# KiCad board panel_4_3.kicad_pcb (continued)
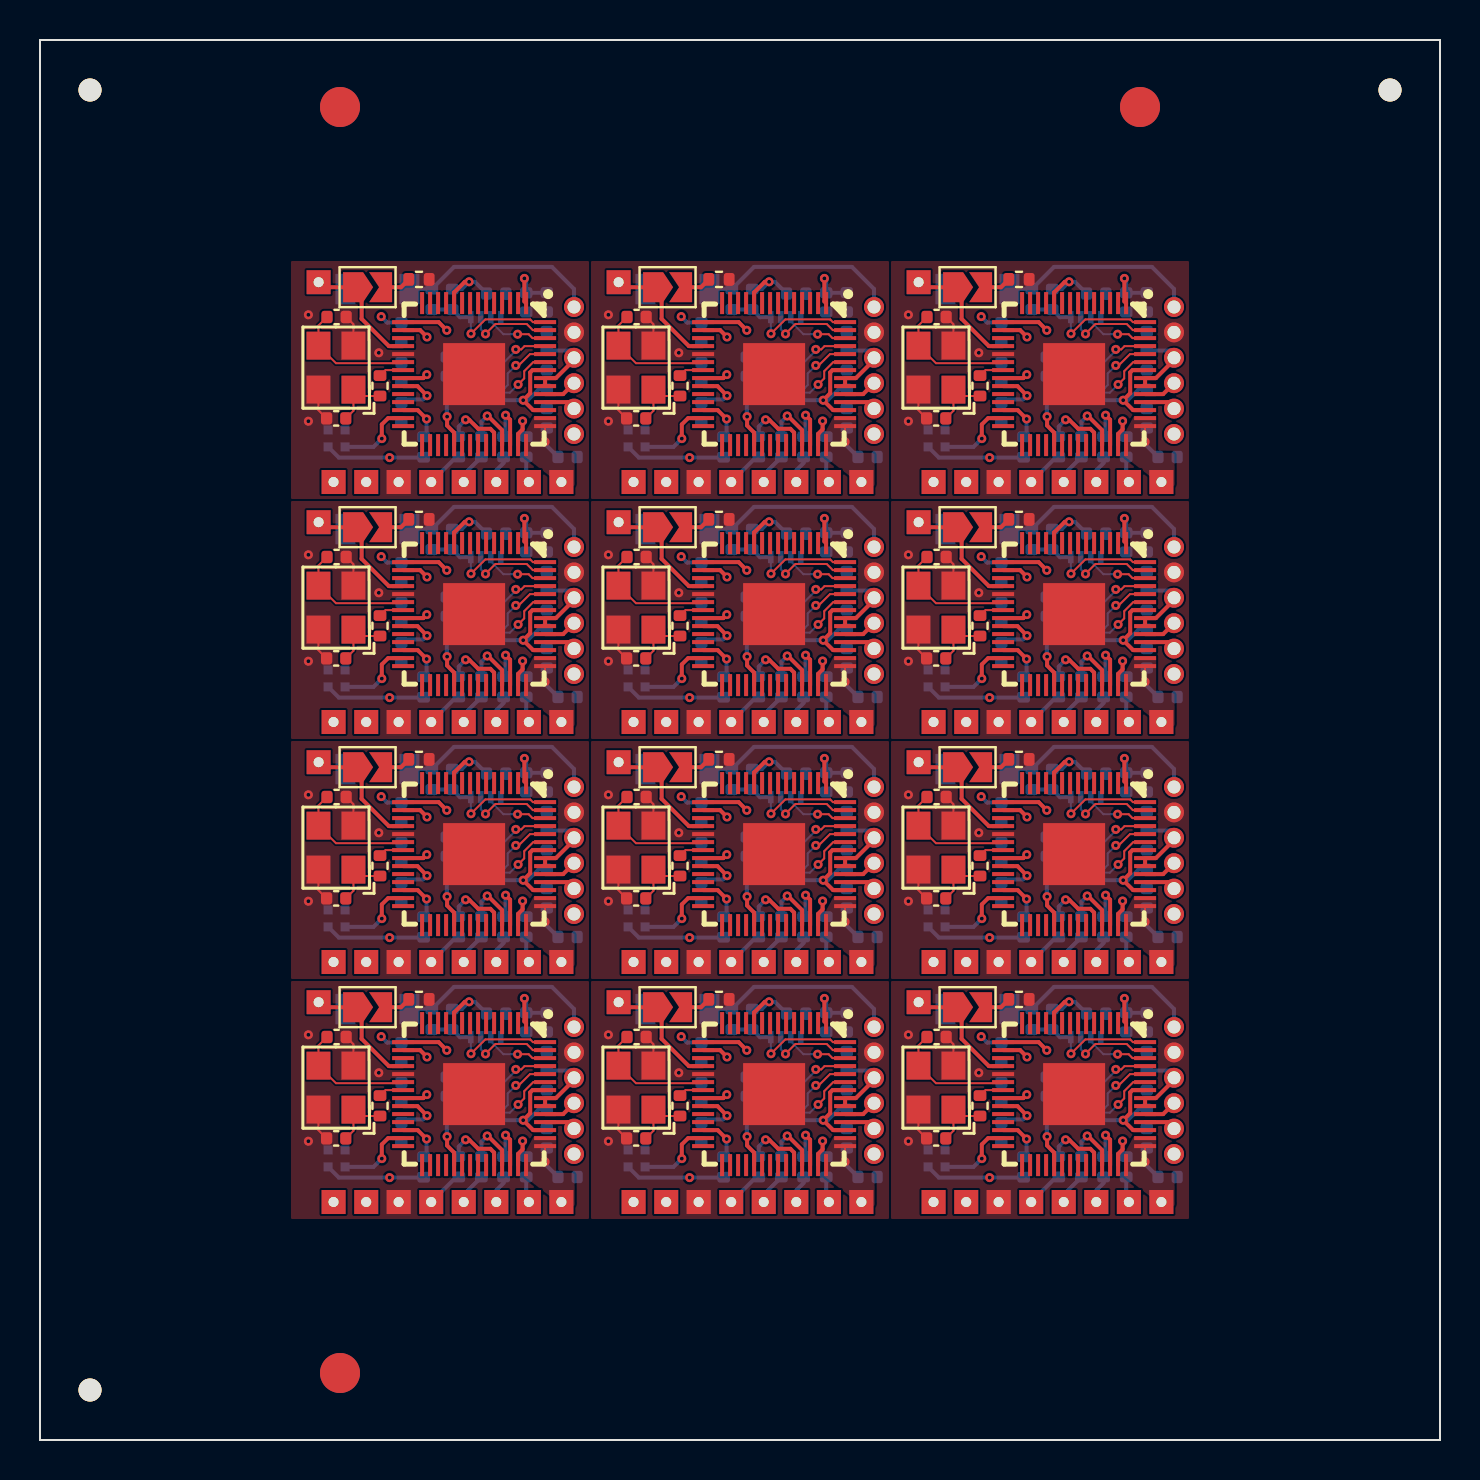
[diagram p0: board, top side]
## Routing (per net, layer and track width the routed paths; a pad name or vN(x,y) marks a point on that pad's centre or on a via; arc(x,y) is an arc through that point) (continued)
  Top w0.1: v1(38.88,55.29) 39.43,55.29 39.62,55.09 U1#3.54
  Bottom w0.1: 37.54,56.14 37.54,55.92 38.17,55.29 v1(38.88,55.29)
Board_1-QSPI_SD3: length 4.6
  Top w0.1: v1(38.91,52.77) 39.21,53.08 39.21,53.44 39.66,53.9 U1#3.51
  Bottom w0.1: v1(38.91,52.77) 38.5,52.37 37.44,52.37 37.04,52.77 U2#8.7
Board_1-RST: length 10.8
  Top w0.2: v1(34.33,51.05) 33.88,51.49 U1#3.26
  In1.Cu w0.2: v1(34.33,51.05) 35.41,49.97 39.35,49.97 40.03,49.29 40.69,49.29 J8#6.1
  Bottom w0.2: v1(34.33,51.05) 34.33,50.31 R2#5.2
Board_1-XIN: length 6.2
  Top w0.1: U1#3.20 33.1,53.84 29.8,53.84 X1#12.3 28.92,55.72 C3#8.1
Board_1-XOUT: length 1.3
  Top w0.1: R1#2.2 32.28,53.49 U1#3.21
Board_2-+1V1: length 15.1
  Top w0.2: U1#8.23 48.87,52.7 v1(49.35,52.22) ; U1#8.45 54.66,51.49 v1(54.16,51.99) 54.51,52.34 54.51,53.38 54.63,53.49 U1#8.50
  In1.Cu w0.358: v1(54.16,51.99) 54.12,51.95 49.62,51.95 v1(49.35,52.22)
  Bottom w0.2: C2#6.1 52.01,51.99 v1(54.16,51.99) 54.39,51.99 54.94,52.54 C5#6.1 ; C4#6.1 48.22,52.03 49.16,52.03 v1(49.35,52.22)
Board_2-+3V3: length 26.7
  Top w0.1: v1(55.25,49.91) U1#8.43
  Top w0.2: 50.71,49.74 50.71,50.37 50.35,50.72 v1(50.35,51.17) ; v1(54.22,58.08) 54.22,56.93 U1#8.1 ; U1#8.10 50.71,57.38 51.24,57.91 v1(51.46,57.91) ; v1(49.34,53.27) 49.16,53.09 U1#8.22 ; J8#8.4 56.7,54 55.79,53.09 U1#8.49 U1#8.48
  Bottom w0.2: C11#4.1 55.33,57.36 C9.1 54.31,57.99 v1(54.22,58.08) ; R6#4.1 50.62,57.55 51.09,57.55 v1(51.46,57.91) 51.74,57.91 C12#7.1 ; R2.1 49.16,49.12 v1(47.48,49.12) 44.94,49.12 U5#8.2 ; C6#2.2 55.25,49.8 v1(55.25,49.91) 55.25,50.52 55.34,50.6 ; v1(47.06,56.17) 47.36,55.87 C13#4.1 ; 56.76,54.21 56.49,54.48 C10#5.1 ; v1(49.34,53.27) 49.17,53.1 48.25,53.1 C7#10.1 ; U2#12.8 51.47,53.19 C14#2.1 50.34,51.19 v1(50.35,51.17)
Board_2-BOOT: length 10
  Bottom w0.2: SW1#6.1 R5#7.1 50.7,58.66 55.59,58.66 56.7,57.55 J8#8.6
Board_2-D+: length 1.7
  Top w0.2: J8#8.3 56.16,52.3 U1#8.47
Board_2-D-: length 1.6
  Top w0.2: J8#8.2 56.38,51.9 U1#8.46
Board_2-GND: length 3.2
  Top w0.1: X1#6.4 43.92,51.49 C1#12.1 ; C3#10.2 45.67,55.79 X1#6.2
  vias: v1(43.42,56.26) v1(43.42,50.94) v1(46.94,54.36)
Board_2-LED_DATA: length 3.9
  Top w0.2: U1#8.27 47.41,51.09 47.09,50.78 v1(47.09,50.07)
  Bottom w0.2: v1(47.09,50.07) 46.68,49.66 U5#8.4
Board_2-Net-(JP1-B): length 1.5
  Top w0.2: JP1#9.2 48.05,57.64 R12#3.1
Board_2-Net-(U1-GPIO26_ADC0): length 3.3
  Top w0.2: v1(51.28,51.01) 51.46,51.01 51.91,50.56 52.52,50.56 52.71,50.37 52.71,49.74
  Bottom w0.2: v1(51.28,51.01) 50.94,50.67 R8#2.1
Board_2-Net-(U1-GPIO27_ADC1): length 2.9
  Top w0.2: 53.1,49.74 53.1,50.49 52.4,51.2 v1(52.36,51.2)
  Bottom w0.2: v1(52.36,51.2) 52.07,50.91 R9#6.1
Board_2-Net-(U1-GPIO28_ADC2): length 2.7
  Top w0.2: v1(53.28,51.24) 53.5,51.02 53.5,49.74
  Bottom w0.2: v1(53.28,51.24) 53.28,50.27 R10#2.1
Board_2-Net-(U1-GPIO29_ADC3): length 2.2
  Top w0.2: v1(54.13,50.95) 54.13,50.53 53.91,50.3 53.91,49.74
  Bottom w0.2: v1(54.13,50.95) 54.13,50.35 R11#8.1
Board_2-Net-(X1-OSC1): length 3.1
  Top w0.1: R1#8.1 45.99,52.2 X1#6.1 45.67,51.46 C1#12.2
Board_2-NS_CLK: length 1.6
  Bottom w0.2: J3#11.1 51.19,48.27 R9#6.2
Board_2-NS_CMD: length 1.5
  Bottom w0.2: 52.81,47.78 52.81,48.48 53.18,48.85 R10#2.2
Board_2-NS_CPU: length 6.2
  Top w0.2: J1#7.1 44.18,57.64 JP1#9.1 46.08,57.22 46.08,56.06 47.44,54.7 U1#8.18
Board_2-NS_D0: length 1.3
  Bottom w0.2: J5#6.1 54.31,48.03 R11#8.2
Board_2-NS_RST: length 1.9
  Bottom w0.2: J2#5.1 50.81,49.15 R8#2.2
Board_2-NS_SCL: length 10.6
  Top w0.2: v1(49.35,55.15) 49,55.49 U1#8.16
  In2.Cu w0.2: v1(49.35,55.15) 49.35,55.14 44.68,50.47 44.68,47.78
Board_2-NS_SDA: length 11.6
  Top w0.2: U1#8.15 49.93,55.9 v1(50.34,55.48)
  In2.Cu w0.2: v1(50.34,55.48) 50.34,55.11 46.31,51.08 J6#9.1
Board_2-QSPI_CS: length 7
  Top w0.1: U1#8.56 54.65,55.9 54.51,56.03 52.26,56.03 v1(51.55,55.31)
  Bottom w0.1: v1(51.55,55.31) 51.54,55.33 51.54,56.14
  Bottom w0.2: R5#7.2 R6#4.2 51,56.14 51.54,56.14
Board_2-QSPI_SCK: length 4.1
  Top w0.1: U1#8.52 54.5,54.3 53.93,53.73 v1(53.79,53.73)
  Bottom w0.1: U2#12.6 52.54,52.92 52.86,52.6 53.24,52.6 53.38,52.75 53.38,53.33 v1(53.79,53.73)
Board_2-QSPI_SD0: length 3.2
  Top w0.1: v1(53.79,54.53) 54.06,54.53 54.23,54.7 U1#8.53
  Bottom w0.1: v1(53.79,54.53) 53.79,54.48 53.04,53.73 U2#12.5
Board_2-QSPI_SD1: length 4.2
  Top w0.1: U1#8.55 54.64,55.49 54.34,55.8 52.77,55.8 v1(52.28,55.3)
  Bottom w0.1: 52.04,56.14 52.04,55.54 v1(52.28,55.3)
Board_2-QSPI_SD2: length 3.3
  Top w0.1: v1(53.88,55.29) 54.43,55.29 54.62,55.09 U1#8.54
  Bottom w0.1: v1(53.88,55.29) 53.17,55.29 52.54,55.92 52.54,56.14
Board_2-QSPI_SD3: length 4.6
  Top w0.1: v1(53.91,52.77) 54.21,53.08 54.21,53.44 54.66,53.9 U1#8.51
  Bottom w0.1: U2#12.7 52.04,52.77 52.44,52.37 53.5,52.37 v1(53.91,52.77)
Board_2-RST: length 10.8
  Top w0.2: U1#8.26 48.88,51.49 v1(49.33,51.05)
  In1.Cu w0.2: v1(49.33,51.05) 50.41,49.97 54.35,49.97 55.03,49.29 55.69,49.29 J8#8.1
  Bottom w0.2: v1(49.33,51.05) 49.33,50.31 R2.2
Board_2-XIN: length 6.2
  Top w0.1: C3#10.1 43.92,55.72 X1#6.3 44.8,53.84 48.1,53.84 U1#8.20
Board_2-XOUT: length 1.3
  Top w0.1: R1#8.2 47.28,53.49 U1#8.21
Board_3-+1V1: length 15.1
  Top w0.2: v1(19.35,40.22) 18.87,40.7 U1#12.23 ; U1#12.50 24.63,41.49 24.51,41.38 24.51,40.34 v1(24.16,39.99) 24.66,39.49 U1#12.45
  In1.Cu w0.358: v1(24.16,39.99) 24.12,39.95 19.62,39.95 v1(19.35,40.22)
  Bottom w0.2: C4#3.1 18.22,40.03 19.16,40.03 v1(19.35,40.22) ; C2#3.1 22.01,39.99 v1(24.16,39.99) 24.39,39.99 24.94,40.54 C5#10.1
Board_3-+3V3: length 26.7
  Top w0.1: v1(25.25,37.91) U1#12.43
  Top w0.2: J8#2.4 26.7,42 25.79,41.09 U1#12.49 U1#12.48 ; 20.71,37.74 20.71,38.37 20.35,38.72 v1(20.35,39.17) ; v1(21.46,45.91) 21.24,45.91 20.71,45.38 U1#12.10 ; U1#12.22 19.16,41.09 v1(19.34,41.27) ; U1#12.1 24.22,44.93 v1(24.22,46.08)
  Bottom w0.2: C12.1 21.74,45.91 v1(21.46,45.91) 21.09,45.55 20.62,45.55 R6#11.1 ; v1(19.34,41.27) 19.17,41.1 18.25,41.1 C7#8.1 ; C10#2.1 26.49,42.48 26.76,42.21 ; 14.41,37.66 14.94,37.12 v1(17.48,37.12) 19.16,37.12 R2#10.1 ; C13#3.1 17.36,43.87 v1(17.06,44.17) ; v1(20.35,39.17) 20.34,39.19 C14#4.1 21.47,41.19 U2#5.8 ; C6#11.2 25.25,37.8 v1(25.25,37.91) 25.25,38.52 25.34,38.6 ; v1(24.22,46.08) 24.31,45.99 C9#8.1 25.33,45.36 C11#11.1
Board_3-BOOT: length 10
  Bottom w0.2: SW1#2.1 R5#5.1 20.7,46.66 25.59,46.66 26.7,45.55 J8#2.6
Board_3-D+: length 1.7
  Top w0.2: J8#2.3 26.16,40.3 U1#12.47
Board_3-D-: length 1.6
  Top w0.2: J8#2.2 26.38,39.9 U1#12.46
Board_3-GND: length 3.2
  Top w0.1: X1#7.4 13.92,39.49 C1#11.1 ; X1#7.2 15.67,43.79 C3#2.2
  vias: v1(13.42,44.26) v1(13.42,38.94) v1(16.94,42.36)
Board_3-LED_DATA: length 3.9
  Top w0.2: v1(17.09,38.07) 17.09,38.78 17.41,39.09 U1#12.27
  Bottom w0.2: v1(17.09,38.07) 16.68,37.66 U5#6.4
Board_3-Net-(JP1-B): length 1.5
  Top w0.2: JP1#8.2 18.05,45.64 R12#2.1
Board_3-Net-(U1-GPIO26_ADC0): length 3.3
  Top w0.2: 22.71,37.74 22.71,38.37 22.52,38.56 21.91,38.56 21.46,39.01 v1(21.28,39.01)
  Bottom w0.2: R8#7.1 20.94,38.67 v1(21.28,39.01)
Board_3-Net-(U1-GPIO27_ADC1): length 2.9
  Top w0.2: 23.1,37.74 23.1,38.49 22.4,39.2 v1(22.36,39.2)
  Bottom w0.2: v1(22.36,39.2) 22.07,38.91 R9#10.1
Board_3-Net-(U1-GPIO28_ADC2): length 2.7
  Top w0.2: 23.5,37.74 23.5,39.02 v1(23.28,39.24)
  Bottom w0.2: R10#7.1 23.28,38.27 v1(23.28,39.24)
Board_3-Net-(U1-GPIO29_ADC3): length 2.2
  Top w0.2: v1(24.13,38.95) 24.13,38.53 23.91,38.3 23.91,37.74
  Bottom w0.2: v1(24.13,38.95) 24.13,38.35 R11#11.1
Board_3-Net-(X1-OSC1): length 3.1
  Top w0.1: R1#4.1 15.99,40.2 X1#7.1 15.67,39.46 C1#11.2
Board_3-NS_CLK: length 1.6
  Bottom w0.2: R9#10.2 21.19,36.27 J3#12.1
Board_3-NS_CMD: length 1.5
  Bottom w0.2: 22.81,35.78 22.81,36.48 23.18,36.85 R10#7.2
Board_3-NS_CPU: length 6.2
  Top w0.2: J1#3.1 14.18,45.64 JP1#8.1 16.08,45.22 16.08,44.06 17.44,42.7 U1#12.18
Board_3-NS_D0: length 1.3
  Bottom w0.2: J5#9.1 24.31,36.03 R11#11.2
Board_3-NS_RST: length 1.9
  Bottom w0.2: R8#7.2 20.81,37.15 J2.1
Board_3-NS_SCL: length 10.6
  Top w0.2: U1#12.16 19,43.49 v1(19.35,43.15)
  In2.Cu w0.2: 14.68,35.78 14.68,38.47 19.35,43.14 v1(19.35,43.15)
Board_3-NS_SDA: length 11.6
  Top w0.2: v1(20.34,43.48) 19.93,43.9 U1#12.15
  In2.Cu w0.2: J6#3.1 16.31,39.08 20.34,43.11 v1(20.34,43.48)
Board_3-QSPI_CS: length 7
  Top w0.1: U1#12.56 24.65,43.9 24.51,44.03 22.26,44.03 v1(21.55,43.31)
  Bottom w0.1: 21.54,44.14 21.54,43.33 v1(21.55,43.31)
  Bottom w0.2: 21.54,44.14 21,44.14 R6#11.2 R5#5.2
Board_3-QSPI_SCK: length 4.1
  Top w0.1: U1#12.52 24.5,42.3 23.93,41.73 v1(23.79,41.73)
  Bottom w0.1: v1(23.79,41.73) 23.38,41.33 23.38,40.75 23.24,40.6 22.86,40.6 22.54,40.92 U2#5.6
Board_3-QSPI_SD0: length 3.2
  Top w0.1: U1#12.53 24.23,42.7 24.06,42.53 v1(23.79,42.53)
  Bottom w0.1: U2#5.5 23.04,41.73 23.79,42.48 v1(23.79,42.53)
Board_3-QSPI_SD1: length 4.2
  Top w0.1: v1(22.28,43.3) 22.77,43.8 24.34,43.8 24.64,43.49 U1#12.55
  Bottom w0.1: v1(22.28,43.3) 22.04,43.54 22.04,44.14
Board_3-QSPI_SD2: length 3.3
  Top w0.1: U1#12.54 24.62,43.09 24.43,43.29 v1(23.88,43.29)
  Bottom w0.1: 22.54,44.14 22.54,43.92 23.17,43.29 v1(23.88,43.29)
Board_3-QSPI_SD3: length 4.6
  Top w0.1: v1(23.91,40.77) 24.21,41.08 24.21,41.44 24.66,41.9 U1#12.51
  Bottom w0.1: v1(23.91,40.77) 23.5,40.37 22.44,40.37 22.04,40.77 U2#5.7
Board_3-RST: length 10.8
  Top w0.2: v1(19.33,39.05) 18.88,39.49 U1#12.26
  In1.Cu w0.2: v1(19.33,39.05) 20.41,37.97 24.35,37.97 25.03,37.29 25.69,37.29 J8#2.1
  Bottom w0.2: R2#10.2 19.33,38.31 v1(19.33,39.05)
Board_3-XIN: length 6.2
  Top w0.1: U1#12.20 18.1,41.84 14.8,41.84 X1#7.3 13.92,43.72 C3#2.1
Board_3-XOUT: length 1.3
  Top w0.1: R1#4.2 17.28,41.49 U1#12.21
Board_4-+1V1: length 15.1
  Top w0.2: v1(34.35,40.22) 33.87,40.7 U1#6.23 ; U1#6.50 39.63,41.49 39.51,41.38 39.51,40.34 v1(39.16,39.99) 39.66,39.49 U1#6.45
  In1.Cu w0.358: v1(34.35,40.22) 34.62,39.95 39.12,39.95 v1(39.16,39.99)
  Bottom w0.2: C2#5.1 37.01,39.99 v1(39.16,39.99) 39.39,39.99 39.94,40.54 C5#9.1 ; v1(34.35,40.22) 34.16,40.03 33.22,40.03 C4#2.1
Board_4-+3V3: length 26.7
  Top w0.1: v1(40.25,37.91) U1#6.43
  Top w0.2: v1(36.46,45.91) 36.24,45.91 35.71,45.38 U1#6.10 ; J8#12.4 41.7,42 40.79,41.09 U1#6.49 U1#6.48 ; v1(39.22,46.08) 39.22,44.93 U1#6.1 ; U1#6.22 34.16,41.09 v1(34.34,41.27) ; 35.71,37.74 35.71,38.37 35.35,38.72 v1(35.35,39.17)
  Bottom w0.2: v1(39.22,46.08) 39.31,45.99 C9#11.1 40.33,45.36 C11#12.1 ; 40.34,38.6 40.25,38.52 v1(40.25,37.91) 40.25,37.8 C6#6.2 ; R6#12.1 35.62,45.55 36.09,45.55 v1(36.46,45.91) 36.74,45.91 C12#11.1 ; v1(32.06,44.17) 32.36,43.87 C13#8.1 ; 41.76,42.21 41.49,42.48 C10#11.1 ; C7#3.1 33.25,41.1 34.17,41.1 v1(34.34,41.27) ; R2#4.1 34.16,37.12 v1(32.48,37.12) 29.94,37.12 U5#5.2 ; U2#4.8 36.47,41.19 C14#5.1 35.34,39.19 v1(35.35,39.17)
Board_4-BOOT: length 10
  Bottom w0.2: SW1#8.1 R5#11.1 35.7,46.66 40.59,46.66 41.7,45.55 J8#12.6
Board_4-D+: length 1.7
  Top w0.2: J8#12.3 41.16,40.3 U1#6.47
Board_4-D-: length 1.6
  Top w0.2: U1#6.46 41.38,39.9 J8#12.2
Board_4-GND: length 3.2
  Top w0.1: C1#10.1 28.92,39.49 X1#5.4 ; C3#6.2 30.67,43.79 X1#5.2
  vias: v1(28.42,44.26) v1(28.42,38.94) v1(31.94,42.36)
Board_4-LED_DATA: length 3.9
  Top w0.2: U1#6.27 32.41,39.09 32.09,38.78 v1(32.09,38.07)
  Bottom w0.2: U5#5.4 31.68,37.66 v1(32.09,38.07)
Board_4-Net-(JP1-B): length 1.5
  Top w0.2: JP1#7.2 33.05,45.64 R12#5.1
Board_4-Net-(U1-GPIO26_ADC0): length 3.3
  Top w0.2: 37.71,37.74 37.71,38.37 37.52,38.56 36.91,38.56 36.46,39.01 v1(36.28,39.01)
  Bottom w0.2: v1(36.28,39.01) 35.94,38.67 R8#4.1
Board_4-Net-(U1-GPIO27_ADC1): length 2.9
  Top w0.2: v1(37.36,39.2) 37.4,39.2 38.1,38.49 38.1,37.74
  Bottom w0.2: v1(37.36,39.2) 37.07,38.91 R9#2.1
Board_4-Net-(U1-GPIO28_ADC2): length 2.7
  Top w0.2: v1(38.28,39.24) 38.5,39.02 38.5,37.74
  Bottom w0.2: R10#3.1 38.28,38.27 v1(38.28,39.24)
Board_4-Net-(U1-GPIO29_ADC3): length 2.2
  Top w0.2: 38.91,37.74 38.91,38.3 39.13,38.53 v1(39.13,38.95)
  Bottom w0.2: v1(39.13,38.95) 39.13,38.35 R11#4.1
Board_4-Net-(X1-OSC1): length 3.1
  Top w0.1: C1#10.2 30.67,39.46 X1#5.1 30.99,40.2 R1#12.1
Board_4-NS_CLK: length 1.6
  Bottom w0.2: R9#2.2 36.19,36.27 J3#2.1
Board_4-NS_CMD: length 1.5
  Bottom w0.2: R10#3.2 38.18,36.85 37.81,36.48 37.81,35.78
Board_4-NS_CPU: length 6.2
  Top w0.2: J1#12.1 29.18,45.64 JP1#7.1 31.08,45.22 31.08,44.06 32.44,42.7 U1#6.18
Board_4-NS_D0: length 1.3
  Bottom w0.2: J5#4.1 39.31,36.03 R11#4.2
Board_4-NS_RST: length 1.9
  Bottom w0.2: R8#4.2 35.81,37.15 J2#10.1
Board_4-NS_SCL: length 10.6
  Top w0.2: U1#6.16 34,43.49 v1(34.35,43.15)
  In2.Cu w0.2: 29.68,35.78 29.68,38.47 34.35,43.14 v1(34.35,43.15)
Board_4-NS_SDA: length 11.6
  Top w0.2: U1#6.15 34.93,43.9 v1(35.34,43.48)
  In2.Cu w0.2: v1(35.34,43.48) 35.34,43.11 31.31,39.08 J6#5.1
Board_4-QSPI_CS: length 7
  Top w0.1: U1#6.56 39.65,43.9 39.51,44.03 37.26,44.03 v1(36.55,43.31)
  Bottom w0.1: v1(36.55,43.31) 36.54,43.33 36.54,44.14
  Bottom w0.2: 36.54,44.14 36,44.14 R6#12.2 R5#11.2
Board_4-QSPI_SCK: length 4.1
  Top w0.1: U1#6.52 39.5,42.3 38.93,41.73 v1(38.79,41.73)
  Bottom w0.1: U2#4.6 37.54,40.92 37.86,40.6 38.24,40.6 38.38,40.75 38.38,41.33 v1(38.79,41.73)
Board_4-QSPI_SD0: length 3.2
  Top w0.1: U1#6.53 39.23,42.7 39.06,42.53 v1(38.79,42.53)
  Bottom w0.1: U2#4.5 38.04,41.73 38.79,42.48 v1(38.79,42.53)
Board_4-QSPI_SD1: length 4.2
  Top w0.1: v1(37.28,43.3) 37.77,43.8 39.34,43.8 39.64,43.49 U1#6.55
  Bottom w0.1: v1(37.28,43.3) 37.04,43.54 37.04,44.14
Board_4-QSPI_SD2: length 3.3
  Top w0.1: v1(38.88,43.29) 39.43,43.29 39.62,43.09 U1#6.54
  Bottom w0.1: v1(38.88,43.29) 38.17,43.29 37.54,43.92 37.54,44.14
Board_4-QSPI_SD3: length 4.6
  Top w0.1: v1(38.91,40.77) 39.21,41.08 39.21,41.44 39.66,41.9 U1#6.51
  Bottom w0.1: v1(38.91,40.77) 38.5,40.37 37.44,40.37 37.04,40.77 U2#4.7
Board_4-RST: length 10.8
  Top w0.2: U1#6.26 33.88,39.49 v1(34.33,39.05)
  In1.Cu w0.2: J8#12.1 40.69,37.29 40.03,37.29 39.35,37.97 35.41,37.97 v1(34.33,39.05)
  Bottom w0.2: R2#4.2 34.33,38.31 v1(34.33,39.05)
Board_4-XIN: length 6.2
  Top w0.1: C3#6.1 28.92,43.72 X1#5.3 29.8,41.84 33.1,41.84 U1#6.20
Board_4-XOUT: length 1.3
  Top w0.1: R1#12.2 32.28,41.49 U1#6.21
Board_5-+1V1: length 15.1
  Top w0.2: U1#5.50 54.63,41.49 54.51,41.38 54.51,40.34 v1(54.16,39.99) 54.66,39.49 U1#5.45 ; v1(49.35,40.22) 48.87,40.7 U1#5.23
  In1.Cu w0.358: v1(49.35,40.22) 49.62,39.95 54.12,39.95 v1(54.16,39.99)
  Bottom w0.2: C4#8.1 48.22,40.03 49.16,40.03 v1(49.35,40.22) ; C2#11.1 52.01,39.99 v1(54.16,39.99) 54.39,39.99 54.94,40.54 C5.1
Board_5-+3V3: length 26.7
  Top w0.1: v1(55.25,37.91) U1#5.43
  Top w0.2: v1(49.34,41.27) 49.16,41.09 U1#5.22 ; v1(51.46,45.91) 51.24,45.91 50.71,45.38 U1#5.10 ; v1(54.22,46.08) 54.22,44.93 U1#5.1 ; U1#5.48 U1#5.49 55.79,41.09 56.7,42 J8#9.4 ; v1(50.35,39.17) 50.35,38.72 50.71,38.37 50.71,37.74
  Bottom w0.2: U2.8 51.47,41.19 C14#9.1 50.34,39.19 v1(50.35,39.17) ; C7#5.1 48.25,41.1 49.17,41.1 v1(49.34,41.27) ; 56.76,42.21 56.49,42.48 C10#4.1 ; C6#7.2 55.25,37.8 v1(55.25,37.91) 55.25,38.52 55.34,38.6 ; C13.1 47.36,43.87 v1(47.06,44.17) ; C12#5.1 51.74,45.91 v1(51.46,45.91) 51.09,45.55 50.62,45.55 R6#8.1 ; U5#3.2 44.94,37.12 v1(47.48,37.12) 49.16,37.12 R2#7.1 ; v1(54.22,46.08) 54.31,45.99 C9#5.1 55.33,45.36 C11.1
Board_5-BOOT: length 10
  Bottom w0.2: SW1#3.1 R5#2.1 50.7,46.66 55.59,46.66 56.7,45.55 J8#9.6
Board_5-D+: length 1.7
  Top w0.2: U1#5.47 56.16,40.3 J8#9.3
Board_5-D-: length 1.6
  Top w0.2: U1#5.46 56.38,39.9 J8#9.2
Board_5-GND: length 3.2
  Top w0.1: C3#5.2 45.67,43.79 X1.2 ; C1.1 43.92,39.49 X1.4
  vias: v1(43.42,44.26) v1(43.42,38.94) v1(46.94,42.36)
Board_5-LED_DATA: length 3.9
  Top w0.2: v1(47.09,38.07) 47.09,38.78 47.41,39.09 U1#5.27
  Bottom w0.2: v1(47.09,38.07) 46.68,37.66 U5#3.4
Board_5-Net-(JP1-B): length 1.5
  Top w0.2: JP1.2 48.05,45.64 R12.1
Board_5-Net-(U1-GPIO26_ADC0): length 3.3
  Top w0.2: v1(51.28,39.01) 51.46,39.01 51.91,38.56 52.52,38.56 52.71,38.37 52.71,37.74
  Bottom w0.2: R8#10.1 50.94,38.67 v1(51.28,39.01)
Board_5-Net-(U1-GPIO27_ADC1): length 2.9
  Top w0.2: v1(52.36,39.2) 52.4,39.2 53.1,38.49 53.1,37.74
  Bottom w0.2: v1(52.36,39.2) 52.07,38.91 R9#7.1
Board_5-Net-(U1-GPIO28_ADC2): length 2.7
  Top w0.2: v1(53.28,39.24) 53.5,39.02 53.5,37.74
  Bottom w0.2: R10#8.1 53.28,38.27 v1(53.28,39.24)
Board_5-Net-(U1-GPIO29_ADC3): length 2.2
  Top w0.2: v1(54.13,38.95) 54.13,38.53 53.91,38.3 53.91,37.74
  Bottom w0.2: R11.1 54.13,38.35 v1(54.13,38.95)
Board_5-Net-(X1-OSC1): length 3.1
  Top w0.1: R1#11.1 45.99,40.2 X1.1 45.67,39.46 C1.2
Board_5-NS_CLK: length 1.6
  Bottom w0.2: R9#7.2 51.19,36.27 J3#10.1
Board_5-NS_CMD: length 1.5
  Bottom w0.2: 52.81,35.78 52.81,36.48 53.18,36.85 R10#8.2
Board_5-NS_CPU: length 6.2
  Top w0.2: J1#5.1 44.18,45.64 JP1.1 46.08,45.22 46.08,44.06 47.44,42.7 U1#5.18
Board_5-NS_D0: length 1.3
  Bottom w0.2: R11.2 54.31,36.03 J5#3.1
Board_5-NS_RST: length 1.9
  Bottom w0.2: J2#2.1 50.81,37.15 R8#10.2
Board_5-NS_SCL: length 10.6
  Top w0.2: U1#5.16 49,43.49 v1(49.35,43.15)
  In2.Cu w0.2: v1(49.35,43.15) 49.35,43.14 44.68,38.47 44.68,35.78
Board_5-NS_SDA: length 11.6
  Top w0.2: v1(50.34,43.48) 49.93,43.9 U1#5.15
  In2.Cu w0.2: J6#12.1 46.31,39.08 50.34,43.11 v1(50.34,43.48)
Board_5-QSPI_CS: length 7
  Top w0.1: v1(51.55,43.31) 52.26,44.03 54.51,44.03 54.65,43.9 U1#5.56
  Bottom w0.1: v1(51.55,43.31) 51.54,43.33 51.54,44.14
  Bottom w0.2: R5#2.2 R6#8.2 51,44.14 51.54,44.14
Board_5-QSPI_SCK: length 4.1
  Top w0.1: v1(53.79,41.73) 53.93,41.73 54.5,42.3 U1#5.52
  Bottom w0.1: U2.6 52.54,40.92 52.86,40.6 53.24,40.6 53.38,40.75 53.38,41.33 v1(53.79,41.73)
Board_5-QSPI_SD0: length 3.2
  Top w0.1: v1(53.79,42.53) 54.06,42.53 54.23,42.7 U1#5.53
  Bottom w0.1: U2.5 53.04,41.73 53.79,42.48 v1(53.79,42.53)
Board_5-QSPI_SD1: length 4.2
  Top w0.1: U1#5.55 54.64,43.49 54.34,43.8 52.77,43.8 v1(52.28,43.3)
  Bottom w0.1: v1(52.28,43.3) 52.04,43.54 52.04,44.14
Board_5-QSPI_SD2: length 3.3
  Top w0.1: v1(53.88,43.29) 54.43,43.29 54.62,43.09 U1#5.54
  Bottom w0.1: 52.54,44.14 52.54,43.92 53.17,43.29 v1(53.88,43.29)
Board_5-QSPI_SD3: length 4.6
  Top w0.1: v1(53.91,40.77) 54.21,41.08 54.21,41.44 54.66,41.9 U1#5.51
  Bottom w0.1: v1(53.91,40.77) 53.5,40.37 52.44,40.37 52.04,40.77 U2.7
Board_5-RST: length 10.8
  Top w0.2: v1(49.33,39.05) 48.88,39.49 U1#5.26
  In1.Cu w0.2: v1(49.33,39.05) 50.41,37.97 54.35,37.97 55.03,37.29 55.69,37.29 J8#9.1
  Bottom w0.2: v1(49.33,39.05) 49.33,38.31 R2#7.2
Board_5-XIN: length 6.2
  Top w0.1: U1#5.20 48.1,41.84 44.8,41.84 X1.3 43.92,43.72 C3#5.1
Board_5-XOUT: length 1.3
  Top w0.1: R1#11.2 47.28,41.49 U1#5.21
Board_6-+1V1: length 15.1
  Top w0.2: U1#11.45 24.66,27.49 v1(24.16,27.99) 24.51,28.34 24.51,29.38 24.63,29.49 U1#11.50 ; U1#11.23 18.87,28.7 v1(19.35,28.22)
  In1.Cu w0.358: v1(19.35,28.22) 19.62,27.95 24.12,27.95 v1(24.16,27.99)
  Bottom w0.2: C4#12.1 18.22,28.03 19.16,28.03 v1(19.35,28.22) ; C2#7.1 22.01,27.99 v1(24.16,27.99) 24.39,27.99 24.94,28.54 C5#12.1
Board_6-+3V3: length 26.7
  Top w0.1: v1(25.25,25.91) U1#11.43
  Top w0.2: U1#11.22 19.16,29.09 v1(19.34,29.27) ; U1#11.1 24.22,32.93 v1(24.22,34.08) ; U1#11.33 20.71,26.37 20.35,26.72 v1(20.35,27.17) ; U1#11.10 20.71,33.38 21.24,33.91 v1(21.46,33.91) ; J8#4.4 26.7,30 25.79,29.09 U1#11.49 U1#11.48
  Bottom w0.2: C7#11.1 18.25,29.1 19.17,29.1 v1(19.34,29.27) ; 14.41,25.66 14.94,25.12 v1(17.48,25.12) 19.16,25.12 R2#9.1 ; 25.34,26.6 25.25,26.52 v1(25.25,25.91) 25.25,25.8 C6#10.2 ; R6.1 20.62,33.55 21.09,33.55 v1(21.46,33.91) 21.74,33.91 C12#8.1 ; 26.76,30.21 26.49,30.48 C10#8.1 ; C13#7.1 17.36,31.87 v1(17.06,32.17) ; U2#3.8 21.47,29.19 C14.1 20.34,27.19 v1(20.35,27.17) ; C11#5.1 25.33,33.36 C9#3.1 24.31,33.99 v1(24.22,34.08)
Board_6-BOOT: length 10
  Bottom w0.2: SW1#4.1 R5#12.1 20.7,34.66 25.59,34.66 26.7,33.55 J8#4.6
Board_6-D+: length 1.7
  Top w0.2: U1#11.47 26.16,28.3 J8#4.3
Board_6-D-: length 1.6
  Top w0.2: U1#11.46 26.38,27.9 J8#4.2
Board_6-GND: length 3.2
  Top w0.1: X1#8.4 13.92,27.49 C1#2.1 ; X1#8.2 15.67,31.79 C3#11.2
  vias: v1(13.42,32.26) v1(13.42,26.94) v1(16.94,30.36)
Board_6-LED_DATA: length 3.9
  Top w0.2: v1(17.09,26.07) 17.09,26.78 17.41,27.09 U1#11.27
  Bottom w0.2: U5#9.4 16.68,25.66 v1(17.09,26.07)
Board_6-Net-(JP1-B): length 1.5
  Top w0.2: R12#9.1 18.05,33.64 JP1#5.2
Board_6-Net-(U1-GPIO26_ADC0): length 3.3
  Top w0.2: U1#11.38 22.71,26.37 22.52,26.56 21.91,26.56 21.46,27.01 v1(21.28,27.01)
  Bottom w0.2: v1(21.28,27.01) 20.94,26.67 R8#11.1
Board_6-Net-(U1-GPIO27_ADC1): length 2.9
  Top w0.2: v1(22.36,27.2) 22.4,27.2 23.1,26.49 23.1,25.75
  Bottom w0.2: v1(22.36,27.2) 22.07,26.91 R9#12.1
Board_6-Net-(U1-GPIO28_ADC2): length 2.7
  Top w0.2: 23.5,25.75 23.5,27.02 v1(23.28,27.24)
  Bottom w0.2: v1(23.28,27.24) 23.28,26.27 R10#5.1
Board_6-Net-(U1-GPIO29_ADC3): length 2.2
  Top w0.2: v1(24.13,26.95) 24.13,26.53 23.91,26.3 U1#11.41
  Bottom w0.2: R11#3.1 24.13,26.35 v1(24.13,26.95)
Board_6-Net-(X1-OSC1): length 3.1
  Top w0.1: C1#2.2 15.67,27.46 X1#8.1 15.99,28.2 R1#9.1
Board_6-NS_CLK: length 1.6
  Bottom w0.2: J3#9.1 21.19,24.27 R9#12.2
Board_6-NS_CMD: length 1.5
  Bottom w0.2: 22.81,23.78 22.81,24.48 23.18,24.85 R10#5.2
Board_6-NS_CPU: length 6.2
  Top w0.2: J1#6.1 14.18,33.64 JP1#5.1 16.08,33.22 16.08,32.06 17.44,30.7 U1#11.18
Board_6-NS_D0: length 1.3
  Bottom w0.2: J5#11.1 24.31,24.03 R11#3.2
Board_6-NS_RST: length 1.9
  Bottom w0.2: R8#11.2 20.81,25.15 J2#11.1
Board_6-NS_SCL: length 10.6
  Top w0.2: v1(19.35,31.15) 19,31.49 U1#11.16
  In2.Cu w0.2: v1(19.35,31.15) 19.35,31.14 14.68,26.47 14.68,23.78
Board_6-NS_SDA: length 11.6
  Top w0.2: v1(20.34,31.48) 19.93,31.9 U1#11.15
  In2.Cu w0.2: J6#8.1 16.31,27.08 20.34,31.11 v1(20.34,31.48)
Board_6-QSPI_CS: length 7
  Top w0.1: v1(21.55,31.31) 22.26,32.03 24.51,32.03 24.65,31.9 U1#11.56
  Bottom w0.1: 21.54,32.14 21.54,31.33 v1(21.55,31.31)
  Bottom w0.2: R5#12.2 R6.2 21,32.14 21.54,32.14
Board_6-QSPI_SCK: length 4.1
  Top w0.1: U1#11.52 24.5,30.3 23.93,29.73 v1(23.79,29.73)
  Bottom w0.1: U2#3.6 22.54,28.92 22.86,28.6 23.24,28.6 23.38,28.75 23.38,29.33 v1(23.79,29.73)
Board_6-QSPI_SD0: length 3.2
  Top w0.1: U1#11.53 24.23,30.7 24.06,30.53 v1(23.79,30.53)
  Bottom w0.1: v1(23.79,30.53) 23.79,30.48 23.04,29.73 U2#3.5
Board_6-QSPI_SD1: length 4.2
  Top w0.1: v1(22.28,31.3) 22.77,31.8 24.34,31.8 24.64,31.49 U1#11.55
  Bottom w0.1: 22.04,32.14 22.04,31.54 v1(22.28,31.3)
Board_6-QSPI_SD2: length 3.3
  Top w0.1: U1#11.54 24.62,31.09 24.43,31.29 v1(23.88,31.29)
  Bottom w0.1: v1(23.88,31.29) 23.17,31.29 22.54,31.92 22.54,32.14
Board_6-QSPI_SD3: length 4.6
  Top w0.1: v1(23.91,28.77) 24.21,29.08 24.21,29.44 24.66,29.9 U1#11.51
  Bottom w0.1: U2#3.7 22.04,28.77 22.44,28.37 23.5,28.37 v1(23.91,28.77)
Board_6-RST: length 10.8
  Top w0.2: v1(19.33,27.05) 18.88,27.49 U1#11.26
  In1.Cu w0.2: v1(19.33,27.05) 20.41,25.97 24.35,25.97 25.03,25.29 25.69,25.29 J8#4.1
  Bottom w0.2: v1(19.33,27.05) 19.33,26.31 R2#9.2
Board_6-XIN: length 6.2
  Top w0.1: C3#11.1 13.92,31.72 X1#8.3 14.8,29.84 18.1,29.84 U1#11.20
Board_6-XOUT: length 1.3
  Top w0.1: U1#11.21 17.28,29.49 R1#9.2
Board_7-+1V1: length 15.1
  Top w0.2: U1#10.45 39.66,27.49 v1(39.16,27.99) 39.51,28.34 39.51,29.38 39.63,29.49 U1#10.50 ; v1(34.35,28.22) 33.87,28.7 U1#10.23
  In1.Cu w0.358: v1(39.16,27.99) 39.12,27.95 34.62,27.95 v1(34.35,28.22)
  Bottom w0.2: v1(34.35,28.22) 34.16,28.03 33.22,28.03 C4.1 ; C5#4.1 39.94,28.54 39.39,27.99 v1(39.16,27.99) 37.01,27.99 C2.1
Board_7-+3V3: length 26.7
  Top w0.1: v1(40.25,25.91) U1#10.43
  Top w0.2: U1#10.48 U1#10.49 40.79,29.09 41.7,30 J8#3.4 ; U1#10.10 35.71,33.38 36.24,33.91 v1(36.46,33.91) ; v1(39.22,34.08) 39.22,32.93 U1#10.1 ; v1(34.34,29.27) 34.16,29.09 U1#10.22 ; v1(35.35,27.17) 35.35,26.72 35.71,26.37 U1#10.33
  Bottom w0.2: C10.1 41.49,30.48 41.76,30.21 ; R6#10.1 35.62,33.55 36.09,33.55 v1(36.46,33.91) 36.74,33.91 C12#4.1 ; U5#12.2 29.94,25.12 v1(32.48,25.12) 34.16,25.12 R2#12.1 ; C7#9.1 33.25,29.1 34.17,29.1 v1(34.34,29.27) ; 40.34,26.6 40.25,26.52 v1(40.25,25.91) 40.25,25.8 C6#5.2 ; C13#9.1 32.36,31.87 v1(32.06,32.17) ; v1(39.22,34.08) 39.31,33.99 C9#6.1 40.33,33.36 C11#8.1 ; v1(35.35,27.17) 35.34,27.19 C14#7.1 36.47,29.19 U2#2.8
Board_7-BOOT: length 10
  Bottom w0.2: J8#3.6 41.7,33.55 40.59,34.66 35.7,34.66 R5#8.1 SW1#11.1
Board_7-D+: length 1.7
  Top w0.2: J8#3.3 41.16,28.3 U1#10.47
Board_7-D-: length 1.6
  Top w0.2: J8#3.2 41.38,27.9 U1#10.46
Board_7-GND: length 3.2
  Top w0.1: X1#2.2 30.67,31.79 C3#9.2 ; X1#2.4 28.92,27.49 C1#7.1
  vias: v1(28.42,32.26) v1(28.42,26.94) v1(31.94,30.36)
Board_7-LED_DATA: length 3.9
  Top w0.2: U1#10.27 32.41,27.09 32.09,26.78 v1(32.09,26.07)
  Bottom w0.2: v1(32.09,26.07) 31.68,25.66 U5#12.4
Board_7-Net-(JP1-B): length 1.5
  Top w0.2: JP1#6.2 33.05,33.64 R12#12.1
Board_7-Net-(U1-GPIO26_ADC0): length 3.3
  Top w0.2: U1#10.38 37.71,26.37 37.52,26.56 36.91,26.56 36.46,27.01 v1(36.28,27.01)
  Bottom w0.2: R8#12.1 35.94,26.67 v1(36.28,27.01)
Board_7-Net-(U1-GPIO27_ADC1): length 2.9
  Top w0.2: v1(37.36,27.2) 37.4,27.2 38.1,26.49 38.1,25.75
  Bottom w0.2: v1(37.36,27.2) 37.07,26.91 R9#3.1
Board_7-Net-(U1-GPIO28_ADC2): length 2.7
  Top w0.2: v1(38.28,27.24) 38.5,27.02 38.5,25.75
  Bottom w0.2: v1(38.28,27.24) 38.28,26.27 R10#12.1
Board_7-Net-(U1-GPIO29_ADC3): length 2.2
  Top w0.2: U1#10.41 38.91,26.3 39.13,26.53 v1(39.13,26.95)
  Bottom w0.2: R11#7.1 39.13,26.35 v1(39.13,26.95)
Board_7-Net-(X1-OSC1): length 3.1
  Top w0.1: C1#7.2 30.67,27.46 X1#2.1 30.99,28.2 R1#5.1
Board_7-NS_CLK: length 1.6
  Bottom w0.2: R9#3.2 36.19,24.27 J3#4.1
Board_7-NS_CMD: length 1.5
  Bottom w0.2: R10#12.2 38.18,24.85 37.81,24.48 37.81,23.78
Board_7-NS_CPU: length 6.2
  Top w0.2: J1#8.1 29.18,33.64 JP1#6.1 31.08,33.22 31.08,32.06 32.44,30.7 U1#10.18
Board_7-NS_D0: length 1.3
  Bottom w0.2: R11#7.2 39.31,24.03 J5.1
Board_7-NS_RST: length 1.9
  Bottom w0.2: R8#12.2 35.81,25.15 J2#6.1
Board_7-NS_SCL: length 10.6
  Top w0.2: v1(34.35,31.15) 34,31.49 U1#10.16
  In2.Cu w0.2: v1(34.35,31.15) 34.35,31.14 29.68,26.47 29.68,23.78
Board_7-NS_SDA: length 11.6
  Top w0.2: U1#10.15 34.93,31.9 v1(35.34,31.48)
  In2.Cu w0.2: v1(35.34,31.48) 35.34,31.11 31.31,27.08 J6#7.1
Board_7-QSPI_CS: length 7
  Top w0.1: U1#10.56 39.65,31.9 39.51,32.03 37.26,32.03 v1(36.55,31.31)
  Bottom w0.1: v1(36.55,31.31) 36.54,31.33 36.54,32.14
  Bottom w0.2: R5#8.2 R6#10.2 36,32.14 36.54,32.14
Board_7-QSPI_SCK: length 4.1
  Top w0.1: U1#10.52 39.5,30.3 38.93,29.73 v1(38.79,29.73)
  Bottom w0.1: v1(38.79,29.73) 38.38,29.33 38.38,28.75 38.24,28.6 37.86,28.6 37.54,28.92 U2#2.6
Board_7-QSPI_SD0: length 3.2
  Top w0.1: v1(38.79,30.53) 39.06,30.53 39.23,30.7 U1#10.53
  Bottom w0.1: U2#2.5 38.04,29.73 38.79,30.48 v1(38.79,30.53)
Board_7-QSPI_SD1: length 4.2
  Top w0.1: v1(37.28,31.3) 37.77,31.8 39.34,31.8 39.64,31.49 U1#10.55
  Bottom w0.1: 37.04,32.14 37.04,31.54 v1(37.28,31.3)
Board_7-QSPI_SD2: length 3.3
  Top w0.1: v1(38.88,31.29) 39.43,31.29 39.62,31.09 U1#10.54
  Bottom w0.1: 37.54,32.14 37.54,31.92 38.17,31.29 v1(38.88,31.29)
Board_7-QSPI_SD3: length 4.6
  Top w0.1: v1(38.91,28.77) 39.21,29.08 39.21,29.44 39.66,29.9 U1#10.51
  Bottom w0.1: U2#2.7 37.04,28.77 37.44,28.37 38.5,28.37 v1(38.91,28.77)
